# KiCad board Video Board - Memory.kicad_pcb (continued)
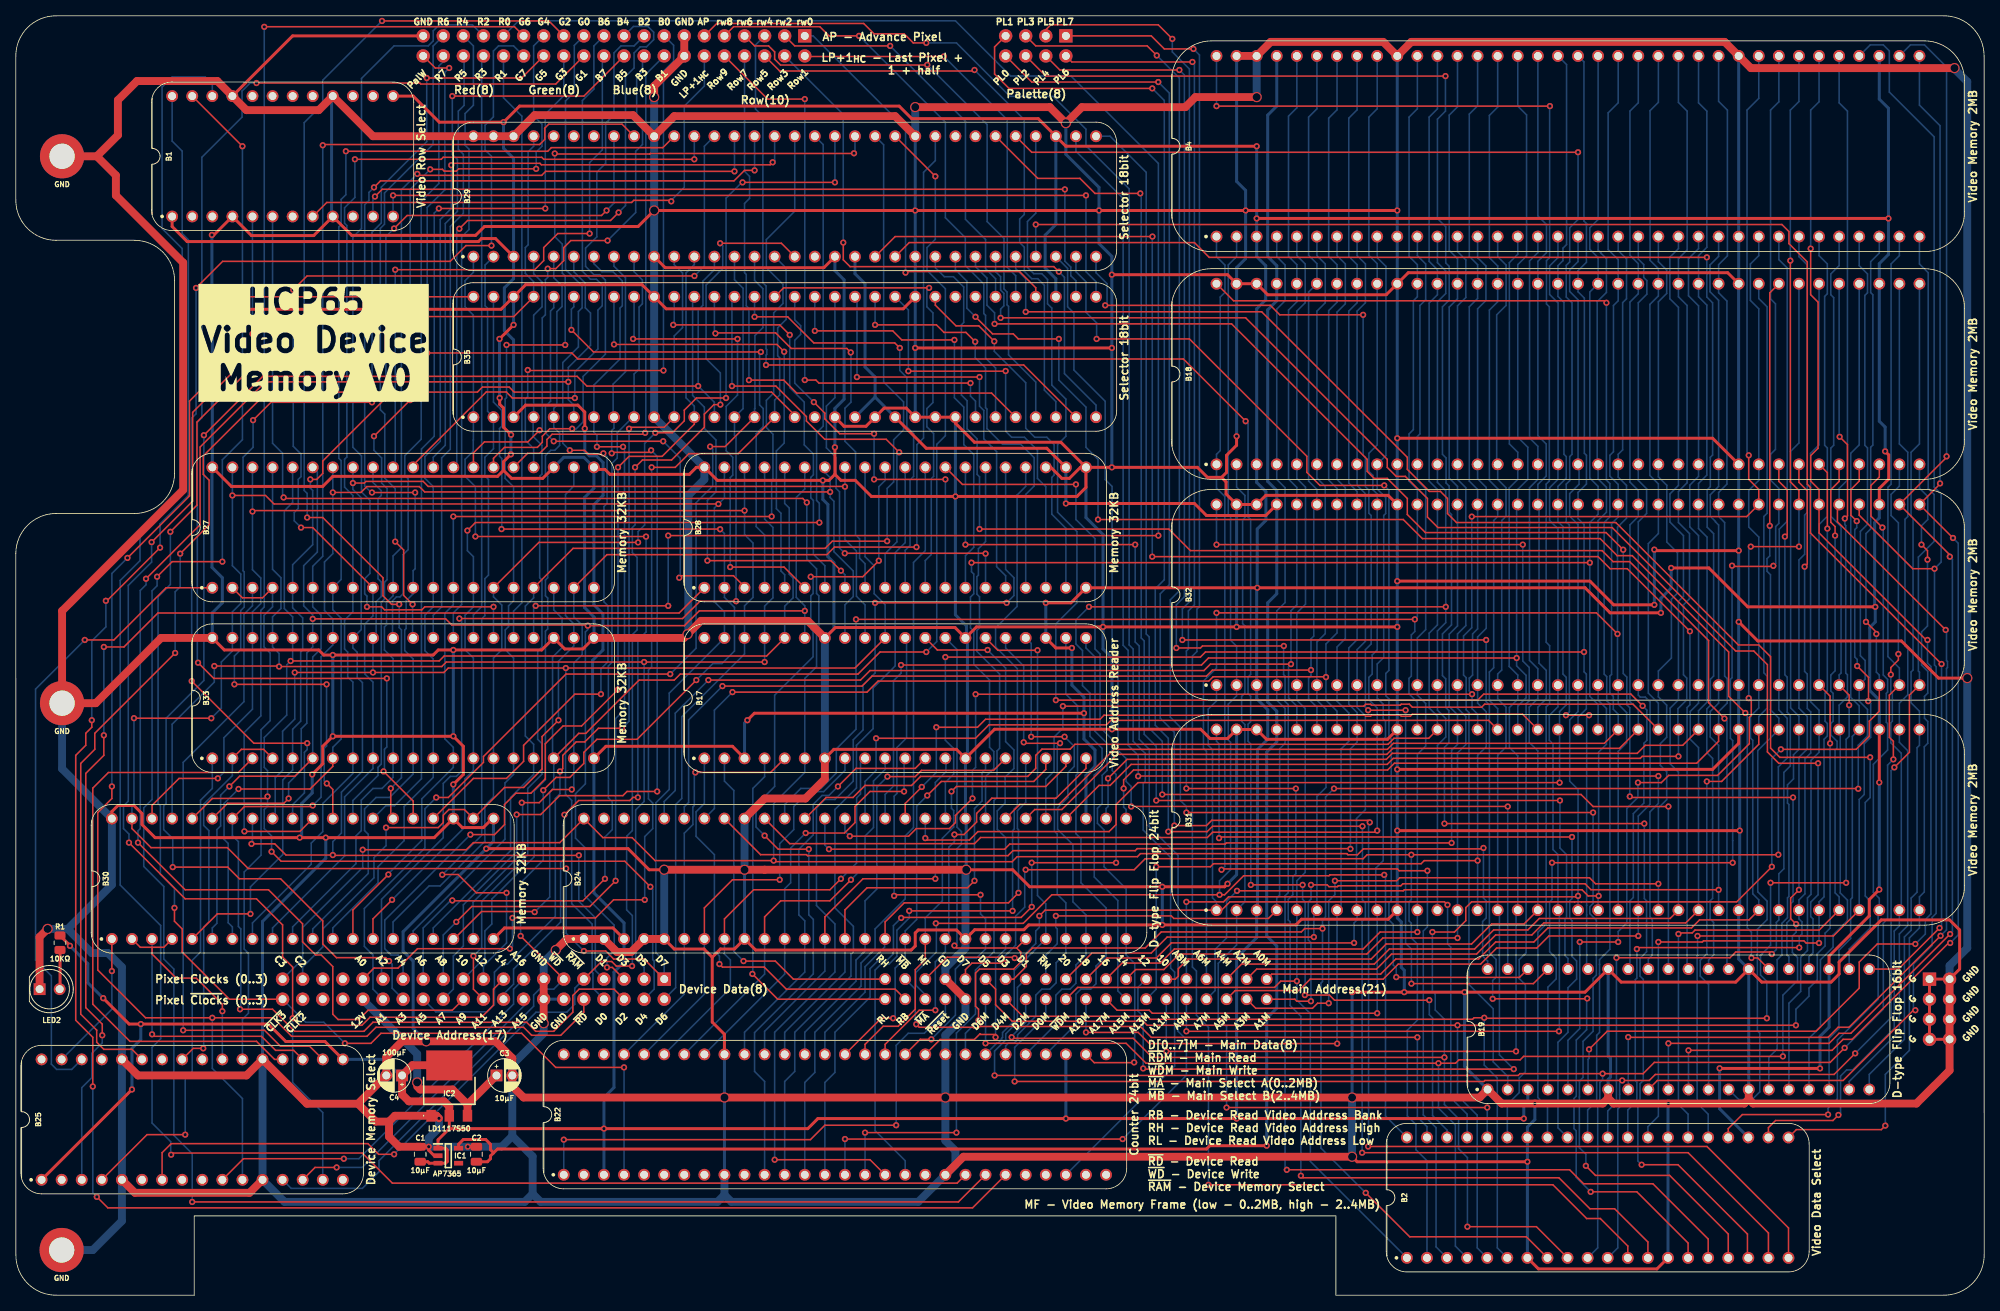
[diagram p0: board, top side]
## Nets (continued)
/VGD1: B4.38 B19.10 B32.38
/VGD2: B4.40 B19.9 B32.40
/VGD3: B4.41 B19.8 B32.41
/VGD4: B4.42 B19.6 B32.42
/VGD5: B4.43 B19.5 B32.43
/VGD6: B4.44 B19.4 B32.44
/VGD7: B4.45 B19.2 B32.45
/VGD_{C2}0: B19.31 B29.33
/VGD_{C2}1: B19.32 B29.34
/VGD_{C2}2: B19.33 B29.36
/VGD_{C2}3: B19.35 B29.37
/VGD_{C2}4: B19.36 B29.38
/VGD_{C2}5: B19.37 B29.32
/VGD_{C2}6: B19.38 B29.31
/VGD_{C2}7: B19.39 B29.30
/VPD0: B18.37 B19.20 B31.37
/VPD1: B18.38 B19.19 B31.38
/VPD2: B18.40 B19.18 B31.40
/VPD3: B18.41 B19.17 B31.41
/VPD4: B18.42 B19.16 B31.42
/VPD5: B18.43 B19.15 B31.43
/VPD6: B18.44 B19.13 B31.44
/VPD7: B18.45 B19.12 B31.45
/VPD_{C2}0: B19.21 B29.29
/VPD_{C2}1: B19.22 B29.28
/VPD_{C2}2: B19.24 B29.27
/VPD_{C2}3: B19.25 B29.26
/VPD_{C2}4: B19.26 B29.25
/VPD_{C2}5: B19.28 B29.24
/VPD_{C2}6: B19.29 B29.22
/VPD_{C2}7: B19.30 B29.21
/~{CLK}2: J4.38
/~{CLK}3: B1.5 B22.4 J4.40
/~{CS Memory B}: B2.36 B18.2 B31.2
/~{Device RAM 0}: B25.27 B35.17
/~{Device RAM}: B25.7 B29.17 J4.9
/~{EG0}: B2.35 B32.72
/~{EG1}: B2.33 B4.72
/~{EP0}: B2.32 B31.72
/~{EP1}: B2.31 B18.72
/~{Memory A}: B2.40 B4.2 B32.2 J2.36
/~{Memory B}: B2.39 J2.37
/~{Memory Frame}: B2.3 B4.1 B18.1
/~{Reset}: B22.1 J2.34
Net-(LED2-A): LED2.2 R1.1

Pads without a net: B1 2 3 7 10 14 15 17 18 19 20; B17 40; B22 2 5 6 7 8 10 19 24 25 27 28 29 54 55 56; B24 53 54 55; B25 2 6 8 9 16 24 26 29 32; B29 18 39 40 58 59 60; B35 18 39 40 58; IC1 4; J4 33 34 35 36

## Via types
v1: diameter 0.8, hole 0.4, Top to Bottom, 668 vias
v2: diameter 1.3, hole 1, Top to Bottom, 20 vias

## Routing (per net, layer and track width the routed paths; a pad name or vN(x,y) marks a point on that pad's centre or on a via; arc(x,y) is an arc through that point)
/3.3V: length 332.3
  Top w0.38: C2.1 59.65,16.89 60.03,17.27 60.03,17.63 60.42,18.02 ; IC1.5 56,19.11 56.6,19.71 59.43,19.71 60.03,19.11 60.03,18.42 60.42,18.02 ; B28.22 130.39,107.19 115.15,107.19 B35.22 ; 60.42,18.02 60.91,18.5 150.58,18.5 151,18.92 v1(158.2,18.92) ; v1(132.8,100.2) 149.06,100.2 150.58,98.68 158.07,98.68 B32.69
  Bottom w0.38: 108.67,113.67 B35.20 ; 108.67,113.67 108.67,116.21 107.4,117.48 107.4,128.02 106.13,129.29 B29.20 ; 108.67,113.67 B35.22 ; v1(158.2,18.92) 158.2,35.05 159.47,36.32 159.47,44.2 158.2,45.47 158.2,68.76 159.47,70.03 B31.69 159.47,73.91 158.32,75.06 158.32,87.63 159.47,88.77 B32.69 159.47,101.85 158.32,103 158.32,124.71 159.47,125.86 B18.69 159.47,130.3 158.32,131.45 158.32,149.35 159.47,150.5 B4.69 ; B28.22 v1(132.8,100.2)
/5V: length 1180.5
  Top w0.38: B17.23 131.53,81.92 v1(133.56,81.92) ; B17.3 90.64,69.47 74.63,69.47 B33.20 ; B25.1 v1(14.69,26.03) ; 5.6,45.5 6.85,44.25 v1(6.85,44.22) ; v1(190.71,22.35) v1(154.39,22.35) v1(132.8,22.35) 101.43,22.35 100.16,21.08 v1(74.38,21.08) 54.82,21.08 ; B1.1 19.77,135.26 21.67,133.35 58.5,133.35 58.89,133.73 60.66,133.73 B29.3 ; B25.17 39.09,32.11 34.14,32.11 31.93,34.32 v1(15.8,34.32) 14.33,34.32 v1(11.05,37.59) ; v1(71.95,109.69) 71.95,111.77 71.08,112.65 64.47,112.65 B35.3 ; B1.13 50.25,151.77 53.55,148.46 v1(61.68,148.46) 63.71,150.5 111.72,150.5 113.3,148.91 129.31,148.91 B29.35 132.8,145.42 v1(156.93,145.42) ; v1(135.09,73.65) 93.4,73.65 v1(92.52,72.77) ; B32.39 235.67,102.11 236.86,103.3 236.86,106.35 v1(236.41,106.8) ; v1(236.83,136.27) 236.82,136.28 v1(156.93,136.28) ; B31.39 v1(235.67,64.9) ; v1(130.26,87.63) 133.43,87.63 B28.20 v1(157,89.54) 198.46,89.54 201.63,86.36 v1(208.05,86.36) ; IC2.2 54.82,21.08 ; 54.82,21.08 53.4,19.66 IC1.1 54.35,18.6 54.57,18.39 54.57,16.92 54.35,16.7 IC1.3 52.28,16.7 52.1,16.89 C1.1 ; v1(228.18,28.7) 215.49,28.7 v1(215.48,28.71) ; v1(235.67,51.34) 234.4,50.07 234.4,48.01 229.32,42.93 B19.23 ; v1(235.16,87.12) 219.03,87.12 214.11,92.04 v1(209.35,92.04) ; B30.20 61.81,46.48 75.52,46.48 B24.3
  Top w1: 54.82,29.11 50.15,29.11 C4.1 48.85,25.4 49.72,24.54 54.16,24.54 54.82,23.88 IC2.2
  Bottom w0.38: v1(190.71,22.35) 190.71,24 191.22,24.51 B19.3 ; v1(236.41,106.8) 236.41,109.88 235.67,110.62 B18.39 235.67,130.56 236.83,131.72 v1(236.83,136.27) 236.83,150.22 235.67,151.38 B4.39 ; B31.3 156.93,45.25 154.39,42.71 v1(154.39,22.35) ; B35.35 131.53,128.65 130.18,130 130.18,134.16 131.53,135.51 B29.35 ; B17.23 v1(130.26,87.63) ; B17.3 92.16,72.41 v1(92.52,72.77) ; v1(6.85,44.22) 9.1,41.96 9.1,39.54 v1(11.05,37.59) ; B24.31 135.34,65.79 136.48,66.93 136.48,69 135.09,70.39 v1(135.09,73.65) 135.09,75.69 133.56,77.22 v1(133.56,81.92) ; v1(156.93,145.42) v1(156.93,136.28) B4.3 156.93,131.45 158.07,130.3 158.07,125.98 156.93,124.84 B18.3 156.93,102.87 158.09,101.7 158.09,98.07 157,96.97 v1(157,89.54) 156.93,89.46 B32.3 156.93,75.49 158.33,74.1 158.33,70.36 157.03,69.06 157.03,48.83 ; B32.39 235.67,98.38 235.08,97.79 235.08,87.2 v1(235.16,87.12) 235.16,85.2 234.46,84.5 234.46,76.53 235.67,75.32 B31.39 ; v1(61.68,148.46) 61.68,145.16 62.95,143.89 B29.3 62.95,128.65 61.79,127.49 61.79,122.07 62.95,120.9 B35.3 ; 72.94,68.11 72.94,80.35 74.25,81.66 74.25,86.23 73.11,87.37 B27.20 73.11,100.06 74.27,101.22 74.27,105.39 73.43,106.24 72.54,106.24 71.95,106.82 v1(71.95,109.69) ; B22.3 v1(74.38,21.08) 74.38,25.02 75.65,26.29 75.65,40.89 76.92,42.16 B24.3 76.92,47.12 73.11,50.93 B33.20 ; v1(209.35,92.04) 209.35,89.5 208.05,88.2 v1(208.05,86.36) ; v1(14.69,26.04) 14.69,31.24 15.8,32.36 v1(15.8,34.32) ; v1(228.18,28.7) 228.18,32.77 229.32,33.91 B19.23 ; B2.23 215.48,23.6 v1(215.48,28.71) ; v1(132.8,22.35) 132.8,30.48 ; v1(235.67,51.34) v1(235.67,64.9) ; B25.17 46.57,29.85 48.6,27.81
/12V: length 27.2
  Top w1: IC2.3 57.12,24.14 ; 57.12,24.14 55.23,26.04 51.14,26.04 50.76,26.42 ; 57.12,24.14 C3.1
  Bottom w1: 43.9,37.39 50.76,30.53 v2(50.76,26.92)
/AV0: length 171.7
  Top w0.2: v1(140.1,64.14) 140.1,65.21 141.36,66.47 173.49,66.47 174.35,67.33 212.58,67.33 215.35,70.1 B31.47
  Bottom w0.2: B24.29 140.42,61.47 140.1,61.79 v1(140.1,64.14) ; B31.47 215.35,73.85 216.44,74.94 216.44,78.03 216.11,78.36 216.11,97.79 215.35,98.55 B32.47 215.35,101.6 216.4,102.65 216.4,125.82 215.35,126.87 B18.47 215.35,130.43 216.46,131.54 216.46,149.99 215.35,151.1 B4.47
/AV1: length 170.3
  Top w0.2: B31.48 210.81,69.6 206.08,69.6 205.06,68.58 174.09,68.58 173.32,67.82 140.55,67.82 v1(138.13,65.41)
  Bottom w0.2: B4.48 212.81,150.91 213.86,149.86 213.86,132.62 212.81,131.57 B18.48 212.81,126.37 213.86,125.31 213.86,103.79 212.81,102.74 B32.48 212.81,97.03 213.89,95.95 213.89,75.06 212.81,73.98 B31.48 ; v1(138.13,65.41) 138.13,61.85 137.88,61.6 B24.30
/AV2: length 172.7
  Top w0.2: v1(210.27,68.2) 205.7,68.2 205.44,67.95 174.2,67.95 173.44,67.18 141.05,67.18 138.4,64.53 137,64.53 B24.32
  Bottom w0.2: B4.49 210.27,150.96 211.37,149.86 211.37,132.29 210.27,131.19 B18.49 210.27,126.37 211.36,125.27 211.36,102.82 210.27,101.73 B32.49 210.27,97.79 211.67,96.39 211.67,88.14 210.9,87.38 210.9,78.52 211.32,78.11 211.32,75.35 210.2,74.23 210.2,71.66 ; v1(210.27,68.2) B31.49
/AV3: length 180.3
  Top w0.2: B31.50 204.52,74.8 185.76,74.8 185.38,74.42 176.61,74.42 176.23,74.8 175.22,74.8 175.09,74.68 171.45,74.68 171.34,74.79 170.72,74.79 170.47,74.55 v1(132.42,74.55)
  Bottom w0.2: B24.33 130.26,65.28 131.31,66.33 131.31,70.65 132.42,71.76 v1(132.42,74.55) ; B18.50 207.73,129.92 206.68,130.97 206.68,149.92 207.73,150.97 B4.50 ; 207.73,128.01 207.73,126.47 206.66,125.4 206.66,103.75 207.73,102.68 B32.50 207.73,96.39 206.46,95.12 206.46,76.2 207.73,74.93 B31.50
/AV4: length 170
  Top w0.2: B31.51 202.81,69.22 174.15,69.22 173.39,68.45 139.28,68.45 132.29,61.47 128.86,61.47 B24.34
  Bottom w0.2: B31.51 205.19,74.08 204.14,75.13 204.14,97.5 205.19,98.55 B32.51 205.19,101.85 204.14,102.91 204.14,125.69 205.19,126.75 B18.51 205.19,130.56 204.14,131.61 204.14,149.86 205.19,150.91 B4.51
/AV5: length 170.2
  Top w0.2: B31.52 200.91,69.85 174.22,69.85 173.46,69.09 138.9,69.09 131.93,62.12 126.98,62.12 B24.35
  Bottom w0.2: B31.52 202.65,73.53 202.03,74.15 202.03,75.8 201.6,76.23 201.6,78.36 201.81,78.57 201.81,97.66 202.65,98.49 B32.52 202.65,102.62 201.6,103.67 201.6,106.3 202.05,106.75 202.05,125.26 202.65,125.86 B18.52 202.65,131.06 201.38,132.33 201.38,149.64 202.65,150.91 B4.52
/AV6: length 200.4
  Top w0.2: v1(199.06,92.71) v1(120.86,92.71)
  Bottom w0.2: B31.53 200.11,74.74 199.06,75.79 v1(199.06,92.71) 199.06,97.79 200.11,98.84 B32.53 200.11,102.36 199.06,103.41 199.06,126.97 B18.53 200.11,131.32 199.06,132.37 199.06,135.09 200.11,136.14 B4.53 ; v1(120.86,92.71) 120.86,91.57 121.15,91.28 121.15,88.77 120.73,88.36 120.73,84.46 121.15,84.04 121.15,79.85 123.15,77.85 123.15,69.34 123.69,68.8 123.69,66.68 122.64,65.62 B24.36
/AV7: length 190.2
  Top w0.2: v1(198.33,81.41) 150.45,81.41 149.81,80.76 v1(117.56,80.76)
  Bottom w0.2: B4.54 198.32,156.1 198.32,135.95 198.63,135.64 198.63,130.73 197.57,129.67 B18.54 197.57,127 198.37,126.2 198.37,106.56 198.63,106.3 198.63,102.66 197.57,101.6 B32.54 197.57,98.3 198.33,97.54 v1(198.33,81.41) 198.33,78.9 198.62,78.61 198.62,74.2 197.57,73.15 B31.54 ; v1(117.56,80.76) 117.56,70.23 118.61,69.18 118.61,65.95 117.56,64.9 B24.38
/AV8: length 181.8
  Top w0.2: v1(195.23,64.87) 141.92,64.87 139.15,62.1 139.15,59.56 138.26,58.67 121.68,58.67 120.61,57.61 115.26,57.61 v1(115.02,57.85)
  Bottom w0.2: B4.55 196.12,155.76 196.12,132.97 195.66,132.52 195.66,130.94 195.03,130.3 B18.55 195.03,126.41 195.79,125.65 195.79,106.43 196.08,106.13 196.08,103.42 195.03,102.36 B32.55 195.03,97.92 195.66,97.28 195.66,78.61 196.08,78.2 196.08,74.71 195.23,73.87 v1(195.23,64.87) ; B24.39 v1(115.02,57.85)
/AV9: length 178
  Top w0.2: v1(114.57,64.33) 112.48,62.23 112.48,60.96 ; B31.56 190.55,73.53 176.61,73.53 176.36,73.28 175.22,73.28 175.09,73.41 171.45,73.41 171.34,73.29 170.72,73.29 170.6,73.41 137.63,73.41 137.12,72.9 122.64,72.9 121.62,71.88 v1(116.42,71.88)
  Bottom w0.2: v1(116.42,71.88) 116.42,66.17 v1(114.57,64.33) ; 192.64,99.93 192.64,79.99 193.55,79.07 193.55,75.49 192.49,74.42 B31.56 ; B4.56 192.49,136.6 193.58,135.51 193.58,131.94 192.49,130.85 B18.56 192.49,108.79 193.54,107.74 193.54,103.67 192.49,102.62 B32.56
/AV10: length 186.5
  Top w0.2: v1(111.95,79.76) 149.94,79.76 150.83,80.65 v1(189.8,80.65)
  Bottom w0.2: B24.41 109.94,63.37 111,64.43 111,77.77 111.95,78.72 v1(111.95,79.76) ; 189.8,99.93 v1(189.8,80.65) 189.8,79.65 191,78.45 191,75.6 189.95,74.55 B31.57 ; B4.57 189.95,150.5 191.06,149.38 191.06,131.54 189.95,130.43 B18.57 189.95,108.59 191.22,107.32 191.22,103.25 189.95,101.98 B32.57
/AV11: length 178.6
  Top w0.2: B31.58 186.25,72.75 138.5,72.75 137.93,72.18 123.07,72.18 121.37,70.49 v1(108.8,70.49)
  Bottom w0.2: v1(108.8,70.49) 108.8,66.42 107.4,65.02 B24.42 ; B4.58 187.41,150.37 186.36,149.32 186.36,131.32 187.41,130.27 B18.58 187.41,125.73 186.36,124.68 186.36,103.12 187.41,102.07 B32.58 187.41,98.55 186.9,98.04 186.9,79.41 186.36,78.87 186.36,75.28 187.41,74.23 187.41,71.6
/AV12: length 184.4
  Top w0.2: v1(121.38,76.06) v1(184.17,76.06) ; v1(105.47,58.1) 112.92,58.1 113.88,59.06 118.07,59.06 118.83,59.82 118.83,60.72 v1(120.99,62.88)
  Bottom w0.2: B24.43 104.86,58.71 v1(105.47,58.1) ; 184.87,71.67 184.87,73.53 184.17,74.23 v1(184.17,76.06) 184.17,76.14 183.82,76.49 183.82,78.11 183.85,78.11 184.23,78.49 184.23,83.69 184.87,84.33 B32.59 184.87,101.98 183.82,103.03 183.82,125.1 184.87,126.15 B18.59 184.87,130.43 183.82,131.48 183.82,149.48 184.87,150.53 B4.59 ; v1(121.38,76.06) 121.38,66.8 120.99,66.41 v1(120.99,62.88)
/AV13: length 185.7
  Top w0.2: v1(102.84,56.45) 125.05,56.45 125.7,57.1 152.94,57.1 153.08,57.24 v1(181.58,57.24)
  Bottom w0.2: v1(102.84,56.45) 102.32,56.97 B24.44 ; v1(181.58,57.24) 181.58,68.96 182.33,69.71 B31.60 182.33,73.46 181.28,74.52 181.28,83.66 182.33,84.71 B32.60 182.33,102.36 181.28,103.41 181.28,125.06 182.33,126.11 B18.60 182.33,131.19 181.28,132.24 181.28,149.35 182.33,150.41 B4.60
/AV14: length 173.5
  Top w0.2: B31.61 178.68,70.49 174.29,70.49 173.53,69.72 133.94,69.72 133.33,69.11 129.78,69.11 128.99,68.33 128.99,66.68 127.97,65.66 114.42,65.66 113.28,64.52 107.4,64.52 105.88,62.99 102.49,62.99 99.82,60.33
  Bottom w0.2: B4.61 179.79,150.15 178.74,149.1 178.74,130.85 179.79,129.79 B18.61 179.79,126.62 178.74,125.57 178.74,103.03 179.79,101.98 B32.61 179.79,84.84 178.74,83.78 178.74,74.33 179.79,73.28 B31.61
/AV15: length 189
  Top w0.2: v1(176.93,85.53) v1(106.26,85.53)
  Bottom w0.2: B4.62 177.25,150.15 176.2,149.1 176.2,131.48 177.25,130.43 B18.62 177.25,126.37 176.74,125.86 176.74,109.55 176.2,109 176.2,103.03 177.25,101.98 B32.62 177.25,85.85 v1(176.93,85.53) 176.93,84.01 176.49,83.57 176.49,78.36 176.19,78.06 176.19,76.11 177.25,75.06 B31.62 ; v1(106.26,85.53) 106.26,71.63 103.77,69.14 103.77,66.09 101.81,64.14 99.27,64.14 97.24,62.1 B24.46
/AV16: length 180.1
  Top w0.2: v1(172.17,58.8) 171.97,58.6 151.36,58.6 150.69,57.93 122.02,57.93 121.24,57.15 97.87,57.15 B24.47
  Bottom w0.2: B4.64 172.17,150.15 171.12,149.1 171.12,131.61 172.17,130.56 B18.64 172.17,107.6 171.12,106.55 171.12,104.27 171.63,103.76 171.63,101.95 172.17,101.4 B32.64 172.17,81.66 171.53,81.03 171.53,78.61 171.12,78.2 171.12,75.37 172.17,74.32 B31.64 v1(172.17,58.8)
/AV17: length 184.8
  Top w0.2: v1(168.79,56.49) 168.77,56.52 141.82,56.52 141.56,56.26 126.11,56.26 125.47,55.63 100.12,55.63 99.99,55.75 94.19,55.75 B24.49
  Bottom w0.2: B4.65 169.63,150.02 168.58,148.97 168.58,131.48 169.63,130.43 B18.65 169.63,125.6 168.58,124.55 168.58,102.78 169.63,101.73 B32.65 169.63,82.97 168.58,81.92 168.58,74.8 169.63,73.75 B31.65 169.63,69.99 168.79,69.15 v1(168.79,56.49)
/AV18: length 181.5
  Top w0.2: v1(90.64,76.33) 107.65,76.33 109.05,77.72 150.87,77.72 151.41,78.27 165.66,78.27 v1(165.69,78.23)
  Bottom w0.2: B24.50 88.35,61.6 88.35,74.04 v1(90.64,76.33) ; B31.66 167.09,73.91 165.69,75.31 v1(165.69,78.23) 165.69,82.42 167.09,83.82 B32.66 167.09,102.11 166.04,103.16 166.04,124.61 167.09,125.67 B18.66 167.09,130.43 166.04,131.48 166.04,148.97 167.09,150.02 B4.66
/AV19: length 181.3
  Top w0.2: v1(163.8,79.12) 151.34,79.12 150.58,78.36 108.29,78.36 107.02,77.09 v1(89.37,77.09)
  Bottom w0.2: B32.67 164.55,101.98 163.5,103.03 163.5,126.96 B18.67 164.55,130.56 163.5,131.61 163.5,149.1 164.55,150.15 B4.67 ; B31.67 164.55,74.42 163.5,75.47 163.5,78.11 163.8,78.41 v1(163.8,79.12) 163.8,83.07 164.15,83.42 164.15,99.68 ; v1(89.37,77.09) 85.09,72.81 85.09,62.36 84.54,61.81 B24.51
/AV20: length 182.2
  Top w0.2: v1(161.27,79.87) 151.08,79.87 150.26,79.06 108.03,79.06 106.82,77.85 v1(87.59,77.85)
  Bottom w0.2: v1(87.59,77.85) 83.4,73.66 83.4,63.88 82,62.48 B24.52 ; B4.68 162.01,150.28 160.96,149.23 160.96,131.48 162.01,130.43 B18.68 162.01,125.73 160.96,124.68 160.96,103.29 162.01,102.24 B32.68 162.01,87.38 161.27,86.64 v1(161.27,79.87) 160.96,79.56 160.96,75.6 162.01,74.55 B31.68
/GND: length 3697.9
  Top w0.38: B35.19 104.75,109.97 107.51,109.97 B35.21 109.81,112.27 112.6,112.27 B35.23 B35.24 B35.25 ; B29.19 102.19,130.05 82.13,130.05 B29.10 ; v1(174.71,90.38) 199.08,90.38 202.08,87.38 v1(207.22,87.38) ; v1(174.71,66.55) 214.59,66.55 217.89,69.85 B31.46 ; B31.10 173.56,47.58 162.6,47.58 161.88,46.86 v1(144.99,46.86) 128.1,46.86 127.5,46.26 121.27,46.26 B24.20 118.96,46.23 114.13,46.23 113.75,45.85 113.75,44.2 113.24,43.69 93.56,43.69 B24.9 90.89,43.82 89.11,43.82 88.08,42.78 ; v1(59.49,56.52) 77.43,56.52 80.09,53.85 v2(82,53.85) ; 152.48,103.51 150.71,103.51 149.44,104.78 v1(138.62,104.78) B28.21 ; 152.48,103.51 153.12,104.14 153.12,106.3 154.39,107.57 v1(154.39,108.71) ; 152.48,103.51 153.06,102.93 153.06,101.41 B32.71 B32.70 158.08,101.23 173.56,101.23 B32.63 ; v1(103.59,107.31) 103.59,103.89 103.59,103.89 ; J3.39 35.01,159.39 B1.21 ; 103.59,103.89 102.83,103.12 v1(102.07,103.12) 88.73,103.12 B28.40 86.06,104.78 85.17,103.89 75.14,103.89 74.51,104.51 73.37,104.51 ; 103.59,103.89 104.35,103.12 106.18,103.12 108.21,101.09 v1(118.83,101.09) 134.2,101.09 135.34,102.24 B28.21 ; v1(217.89,94.23) 207.35,94.23 v1(207.22,94.36) ; v1(174.71,137.29) v1(155.53,137.29) v1(136.99,137.29) v1(113.75,137.29) v2(80.73,137.29) 78.7,135.26 59.27,135.26 58.15,134.14 42.48,134.14 B1.9 37.68,134.11 29.8,134.11 B1.4 25.05,134.19 v1(24.8,134.19) ; J5.8 J5.7 J5.5 J5.3 J5.1 J5.2 245.83,41.28 245.83,46.23 244.56,47.5 235.92,47.5 230.59,42.16 230.59,40.64 229.57,39.62 220.81,39.62 B19.27 217.51,39.62 203.03,39.62 B19.34 198.46,38.35 v1(183.22,38.35) v1(175.6,38.35) 169.01,38.35 v1(168.99,38.34) ; 60.26,60.33 59.12,59.18 56.47,59.18 B30.23 52.92,57.91 v1(39.2,57.91) v1(35.9,57.91) 17.61,57.91 15.96,59.56 15.96,60.96 14.94,61.98 12.91,61.98 12.15,61.21 B30.40 ; v1(61.19,113.56) 61.19,112.75 61.68,112.27 61.68,109.85 v1(62.63,108.9) ; v1(191.17,16.89) 169.63,16.89 v2(168.99,17.53) ; 61.68,104.39 60.92,103.63 40.09,103.63 38.82,102.36 27.26,102.36 B27.40 ; 61.68,104.39 62.7,103.38 66.63,103.38 B27.23 ; 61.68,104.39 61.68,105.49 v1(62.61,106.43) ; B17.34 103.64,84.5 118.78,84.5 B17.27 121.5,84.58 v1(137.5,84.58) v1(154.39,84.58) v1(174.71,84.58) ; 88.08,42.78 87.04,43.82 83.27,43.82 B24.5 ; 88.08,42.78 88.08,34.56 89.62,33.02 B22.48 ; B17.7 103.46,69.09 118.96,69.09 B17.14 123.78,71.63 v1(138.63,71.63) 149.85,71.63 151.03,70.45 153.25,70.45 B31.71 B31.70 158.17,70.36 173.47,70.36 B31.63 ; B33.40 26.37,81.66 38.31,81.66 38.95,81.03 v1(40.09,81.03) 52.79,81.03 53.42,81.66 v1(55.33,81.66) 66.51,81.66 B33.23 69.43,81.79 71.71,81.79 B33.21 ; B28.21 134.64,104.78 133.24,103.38 132.29,103.38 130.89,104.78 B28.23 ; B28.21 132.16,107.95 121.24,107.95 118.83,110.36 118.83,110.99 ; v1(37.48,65.91) 38.82,67.25 38.82,69.47 v1(40.09,70.74) v1(55.33,70.74) 56.6,69.47 56.6,65.91 v1(55.33,64.64) ; v2(4.02,46.36) 3.06,45.39 3.06,38.71 ; v1(24.85,122.56) 27.07,124.78 61.36,124.78 B35.62 64.47,127.89 79.21,127.89 B35.55 82.25,124.84 112.23,124.84 B35.42 ; v2(120.19,53.85) 126.07,53.85 128.23,51.69 v1(144.99,51.69) 152.87,51.69 v1(153.25,52.07) ; 51.13,18.8 v1(52.22,18.8) 52.22,18.35 52.92,17.65 IC1.2 ; v1(217.89,85.22) 220.3,82.8 238.46,82.8 243.16,78.11 v2(246.79,78.11) ; v1(174.71,58.8) v1(218.02,58.8) ; 58.24,18.8 v1(57.17,18.8) 58.26,18.8 ; B2.7 192.57,3.33 207.55,3.33 B2.14 ; v1(174.71,108.46) 214.59,108.46 B18.27 ; v1(62.95,122.81) v1(61.17,121.03) ; v1(113.75,119.89) v1(138.62,119.89) ; v1(138.62,129.16) 153.25,129.16 B18.71 B18.70 158.33,126.62 173.31,126.62 B18.63 176.11,129.41 216.49,129.41 B18.46
  Top w1: 43.27,24.23 45.53,21.97 47.2,21.97 ; 43.27,24.23 C4.2 46.85,30.13 48.85,32.13 v2(51.9,32.13) 60.66,32.13 62.79,30 62.79,26.45 64.22,25.02 v2(89.62,25.02) v2(117.56,25.02) v2(168.99,25.02) 185.12,25.02 B19.1 187.92,24.26 v1(192.11,24.26) 200.69,24.26 201.38,24.94 ; 43.27,24.23 36.81,24.23 B25.21 29.17,27.81 15.45,27.81 B25.28 ; J4.13 J4.14 v2(66.76,34.42) ; 47.2,21.97 47.2,20.07 48.48,18.79 C1.2 ; 47.2,21.97 47.94,22.71 53.2,22.71 ; 53.2,22.71 52.5,22.71 ; 53.2,22.71 v1(53.52,22.39) ; B4.71 B4.70 158.71,158.62 172.93,158.62 B4.63 176.49,158.62 216.11,158.62 B4.46 219.43,155.31 v2(245.18,155.31) ; B29.42 111.21,149.23 83.27,149.23 B29.55 78.06,149.35 65.62,149.35 B29.62 B29.63 B29.64 45.17,146.69 B1.16 38.31,149.99 29.17,149.99 B1.21 25.48,153.67 15.32,153.67 12.91,151.26 12.91,146.81 10.24,144.15 ; v2(68.28,43.69) 69.68,45.09 B24.1 B24.2 76.03,43.43 77.81,43.43 B24.4 B24.5 ; LED2.1 3.01,45.34 v2(4.02,46.36) ; B25.5 15.07,12.95 29.55,12.95 B25.12 ; v2(113.75,150.37) 130.77,150.37 v2(132.8,148.34) 134.83,150.37 147.91,150.37 149.18,151.64 v2(156.93,151.64) ; 10.24,144.15 12.66,141.73 12.66,139.19 21.17,130.68 21.17,101.92 5.85,86.6 H1.1 10.12,74.93 18.37,83.19 B33.40 ; 10.24,144.15 H19.1 ; B33.21 84.49,83.19 v2(84.96,83.66) 86.65,85.34 100.16,85.34 B17.34 ; v2(80.73,151.64) 80.73,153.04 J3.14 J3.13 ; J2.32 J2.33 ; 201.38,24.94 B19.7 ; 201.38,24.94 202.06,24.26 v1(209,24.26) 218.6,24.26 219.16,24.82 ; B24.48 94.7,62.87 99.87,62.87 102.32,65.32 B17.7 ; 117.56,15.24 119.85,17.53 v2(168.99,17.53) ; 219.16,24.82 219.72,24.26 240.37,24.26 244.56,28.45 J5.8 J5.6 J5.4 J5.2 ; 219.16,24.82 B19.14 ; v2(82,53.85) v2(92.16,53.85) 94.7,53.85 v2(120.19,53.85)
  Bottom w0.38: v1(138.63,71.63) 138.63,80.66 137.5,81.79 v1(137.5,84.58) 137.5,96.27 135.34,98.43 B28.21 ; v2(51.9,32.13) 50.25,33.78 50.25,42.29 48.98,43.56 48.98,46 v1(59.49,56.52) 60.41,57.43 B30.21 ; v1(209,24.26) 208.95,24.21 B2.27 B2.14 ; 120.23,83.31 120.23,84.71 118.83,86.11 v1(118.83,101.09) B35.25 ; 24.81,104.74 24.81,92.12 26.12,90.81 26.12,87.63 24.85,86.36 B33.40 ; v1(192.11,24.26) 192.11,22.23 191.17,21.29 B2.34 v1(191.17,16.89) B2.7 ; B35.23 v1(113.75,119.89) B35.42 B29.23 v1(113.75,137.29) B29.42 ; v1(61.19,113.56) 61.17,113.58 v1(61.17,121.03) ; v1(62.61,106.43) 62.61,108.88 v1(62.63,108.9) ; B4.63 v1(174.71,137.29) B4.10 B18.63 v1(174.71,108.46) B18.10 B32.63 v1(174.71,90.38) B32.10 B31.63 v1(174.71,66.55) v1(174.71,58.8) B31.10 ; J4.12 J4.14 ; B24.9 v2(92.16,53.85) ; B17.34 103.46,84.33 103.46,92.71 102.7,93.47 102.7,100.08 102.07,100.71 v1(102.07,103.12) ; B17.14 B24.37 ; 39.93,136.68 39.93,151.61 ; B27.40 v1(24.85,122.56) 24.8,122.61 v1(24.8,134.19) ; v1(55.33,81.66) v1(55.33,70.74) ; 217.88,128 217.88,105.17 ; B29.19 103.59,129.67 104.75,128.51 104.75,113.4 103.59,112.24 B35.19 v1(103.59,107.32) ; v1(183.22,38.35) 183.22,28.96 B19.1 ; B19.14 B19.27 217.89,42.55 B31.27 ; B30.23 v1(55.33,64.64) ; v1(153.25,52.07) 154.39,53.21 B31.71 ; B4.71 154.39,140.97 155.53,139.83 v1(155.53,137.29) 155.53,131.19 154.39,130.05 B18.71 v1(154.39,108.71) ; v1(37.48,65.91) 37.48,63.56 36.15,62.23 36.15,58.16 v1(35.9,57.91) ; v1(207.22,94.36) v1(207.22,87.38) ; 218.02,71.47 v1(218.02,58.8) 218.02,48.86 ; B25.21 31.2,47.3 39.2,55.3 v1(39.2,57.91) ; B18.46 B4.27 B4.46 ; 120.19,60.23 v2(120.19,53.85) 120.19,45.18 ; v1(138.62,104.78) v1(138.62,119.89) v1(138.62,129.16) 138.62,131.47 136.99,133.1 v1(136.99,137.29) 136.99,140.21 132.8,144.4 v2(132.8,148.34) ; B27.23 69.3,106.05 71.84,106.05 B27.21 73.11,102.14 71.93,100.97 71.93,87.02 73.13,85.83 73.13,83.2 ; B19.34 201.38,30.27 201.68,29.97 201.68,27.6 201.38,27.31 B19.7 ; B31.46 B32.27 v1(217.89,85.22) v1(217.89,94.23) B32.46 B18.27 ; v1(175.6,38.35) 175.6,41.12 175.22,41.5 175.22,47.24 174.72,47.74 174.72,48.72 ; B22.48 v2(89.62,25.02) 89.62,15.24 ; v1(40.09,81.03) v1(40.09,70.74) ; B35.62 v1(62.95,122.81) ; v1(144.99,51.69) v1(144.99,46.86) ; v2(168.99,25.02) v1(168.99,38.34) ; B32.71 v1(154.39,84.58) ; 120.35,68.19 120.35,82.94
  Bottom w1: 89.62,12.7 88.73,11.81 66.38,11.81 65.36,12.83 ; 89.62,12.7 90.51,11.81 114.13,11.81 118.83,16.51 118.83,18.29 117.56,19.56 v2(117.56,25.02) 117.56,32.91 120.1,35.45 J2.32 ; 89.62,12.7 89.62,15.24 ; B25.21 B25.12 33.99,11.81 64.35,11.81 65.36,12.83 ; J5.2 244.56,41.71 246.79,43.94 v2(246.79,78.11) 246.79,153.59 245.18,155.21 v2(245.18,155.31) ; B17.34 B17.7 ; v1(53.52,22.39) 53.52,21.18 52.22,19.88 v1(52.22,18.8) v1(57.17,18.8) 61.45,18.8 62.79,20.14 ; 6.56,46.36 v2(4.02,46.36) ; 6.56,46.36 12.15,51.94 B30.40 5.85,66.62 H1.1 ; 6.56,46.36 9.61,43.31 11.64,43.31 13.42,41.53 B25.28 B25.5 13.42,9.4 9.74,5.72 H9.1 ; B29.42 v2(113.75,150.37) ; v2(156.93,151.64) B4.70 ; v2(92.16,53.85) B24.48 ; v2(84.96,83.66) 85.05,83.75 85.05,101.22 87.08,103.25 B28.40 B35.10 B35.55 B29.10 v2(80.73,137.29) B29.55 v2(80.73,151.64) ; B24.5 v2(82,53.85) ; 62.79,20.14 62.79,29.18 66.76,33.15 v2(66.76,34.42) ; 62.79,20.14 65.36,17.56 65.36,12.83 ; v2(68.28,43.69) 66.76,42.16 J4.13 ; J2.33 117.56,41.4 120.1,43.94 B24.20 120.1,53.75 v2(120.19,53.85) ; v2(168.99,25.02) v2(168.99,17.53)
/(D~{RD}·D~{WD})+~{Device RAM 0}: length 149.4
  Top w0.2: B28.1 83.89,86.34 17.97,86.34 13.67,82.04 v1(11.13,82.04) ; v1(11.13,70.87) 11.13,68.33 8.85,66.04 8.85,36.39 10.93,34.31 v1(10.93,32.89)
  Bottom w0.2: v1(10.93,32.89) 10.93,31.93 9.61,30.61 9.61,27.53 8.34,26.26 B25.3 ; v1(11.13,82.04) v1(11.13,70.87)
/(D~{RD}·D~{WD})+~{Device RAM 1}: length 62
  Top w0.2: B25.4 16.59,20.32 v1(21.42,20.32)
  Bottom w0.2: B33.1 24.85,64.14 23.36,62.65 23.36,43.43 22.31,42.38 22.31,28.32 21.42,27.43 v1(21.42,20.32)
/(D~{RD}·D~{WD})+~{Device RAM 2}: length 17.9
  Top w0.2: B30.1 v1(12.15,41.02)
  Bottom w0.2: B25.31 12.15,36.2 v1(12.15,41.02)
/(D~{RD}·D~{WD})+~{Device RAM 3}: length 80.6
  Top w0.2: v1(8.72,82.93) 12.4,82.93 19.01,89.54 B27.1
  Bottom w0.2: v1(8.72,82.93) 2.5,76.71 2.5,42.42 4.5,40.42 4.5,29.24 5.16,28.58 7.07,28.58 B25.30
/AC0: length 63.9
  Top w0.2: v1(141.44,29.46) 141.4,29.43 136.39,29.43 135.34,30.48
  Bottom w0.2: v1(141.44,29.46) 141.51,29.54 141.51,41.96 140.42,43.05 B24.28 140.42,51.44 137.63,54.23 137.63,58.89 136.79,59.72 136.79,61.62 137.39,62.22 137.39,65.81 138.01,66.42 138.01,69.85 136.48,71.37 136.48,80.77 135.34,81.92 B17.21
/AC1: length 58.9
  Bottom w0.2: 130.26,30.48 134.07,34.29 134.07,38.1 134.7,38.74 135.93,38.74 136.61,39.41 136.61,41.66 137.88,42.93 B24.27 137.88,49.02 134.7,52.2 134.7,57.79 134.07,58.42 134.07,65.79 134.32,66.04 134.27,66.09 134.27,74.6 132.8,76.07 B17.22
/AC2: length 63.8
  Top w0.2: v1(132.63,70.68) v1(128.41,70.68)
  Bottom w0.2: B17.24 128.41,82.49 v1(128.41,70.68) ; v1(132.63,70.68) 133.86,69.45 133.86,66.93 133.05,66.12 133.05,62.99 131.75,61.69 131.75,58.96 133.69,57.02 133.69,49.78 135.34,48.13 B24.26 135.34,43.05 134.07,41.78 134.07,39.48 133.33,38.74 132.29,38.74 131.53,37.97 131.53,34.29 127.72,30.48
/AC3: length 63.3
  Top w0.2: v1(132.06,69.86) 132.05,69.85 127.59,69.85 v1(127.47,69.98)
  Bottom w0.2: 125.18,30.48 125.18,31.54 125.54,31.9 126.25,31.9 126.69,32.34 126.69,32.95 128.12,34.38 128.12,34.44 128.99,35.31 128.99,37.97 129.75,38.74 130.77,38.74 131.57,39.53 131.57,42.07 132.8,43.31 B24.25 132.8,49.66 131.71,50.75 131.71,58.37 131.35,58.73 131.35,62.76 131.71,63.12 131.71,69.51 v1(132.06,69.86) ; B17.25 125.18,81.92 127.47,79.63 v1(127.47,69.98)
/AC4: length 62
  Top w0.2: B17.26 124.2,81.63 v1(129.21,81.63)
  Bottom w0.2: 122.64,30.48 124.06,31.9 124.22,31.9 124.66,32.34 124.66,32.5 124.79,32.63 124.79,33.24 126.27,34.72 126.27,41.09 B24.24 130.26,49.53 129.21,50.58 v1(129.21,81.63)
/AC5: length 69.1
  Top w0.2: v1(121.75,34.8) 121.75,36.19 121.37,36.58 121.37,40.77 121.88,41.28 126.2,41.28 127.08,42.16 127.08,43.43 126.58,43.94 ; B24.23 126.58,43.94 ; 126.58,43.94 119.01,43.94 v1(118.71,44.25)
  Bottom w0.2: v1(118.71,44.25) 119.03,44.57 119.03,56.52 119.59,57.08 119.59,58.67 119.03,59.24 119.03,81.72 117.62,83.12 ; v1(121.75,34.8) 120.1,33.15 120.1,30.48
/AC6: length 71.1
  Top w0.2: B17.29 116.54,81.66 v1(122.89,81.66) ; 115.02,30.48 116.9,32.36 121.22,32.36 121.94,33.08 122.02,33 123.91,33 v1(123.91,32.65)
  Bottom w0.2: v1(122.89,81.66) 125.18,79.38 125.18,70.06 126.23,69.01 126.23,66.68 125.12,65.56 125.12,62.29 124.12,61.3 124.12,58.97 125.18,57.91 B24.22 125.18,43.82 123.91,42.55 v1(123.91,32.65)
/AC7: length 70.3
  Top w0.2: 112.48,30.48 114.38,32.39 v1(115.78,32.39) ; v1(111.08,50.55) 111.21,50.67 v1(122,50.67)
  Bottom w0.2: 112.65,83.01 112.65,70.53 111.43,69.31 111.43,63.5 111.08,63.15 v1(111.08,50.55) ; v1(115.78,32.39) 118.83,35.43 118.83,41.28 120.23,42.67 121.5,42.67 122.64,43.82 B24.21 122.64,47.63 122,48.26 v1(122,50.67)
/AC8: length 54
  Top w0.2: v1(118.7,58.31) 119.93,58.31 121.51,59.89 121.51,60.97 123.44,62.9 131.57,62.9 135.34,66.68 B17.20 ; v1(116.29,36.07) 114.26,36.07 109.94,31.75 109.94,30.48
  Bottom w0.2: v1(116.29,36.07) 116.29,42.2 117.56,43.47 B24.19 ; 118,45.52 118,56.7 118.7,57.4 v1(118.7,58.31)
/AC9: length 56
  Top w0.2: B24.18 115.02,42.47 113.75,41.2 113.75,36.2 111.59,34.04 109.69,34.04 107.4,31.75 107.4,30.48 ; v1(118.33,63.75) 118.96,64.39 130.26,64.39 132.8,66.93 B17.19
  Bottom w0.2: v1(118.33,63.75) 118.33,61.62 118.61,61.34 118.61,59.27 117.18,57.83 117.18,49.91 115.02,47.75 B24.18
/AC10: length 55.7
  Top w0.2: v1(110.96,35.05) 109.43,35.05 104.86,30.48 ; v1(115.27,63.25) 117.05,65.02 128.74,65.02 130.26,66.55 B17.18
  Bottom w0.2: v1(115.27,63.25) 113.93,61.9 113.93,47.55 112.48,46.1 B24.17 112.48,42.67 111.21,41.4 111.21,35.31 v1(110.96,35.05)
/AC11: length 55.5
  Top w0.2: B24.16 109.94,47.24 112.35,49.66 125.54,49.66 v1(126.81,50.93)
  Bottom w0.2: v1(126.81,50.93) 126.81,58.92 126.67,59.06 126.67,61.32 127.72,62.38 B17.17 ; 102.32,30.75 102.32,33.27 107.4,38.35 107.4,41.58 109.88,44.06 109.88,45.09
/AC12: length 55.4
  Top w0.2: v1(110.23,65.64) 113.75,65.64 114.53,66.42 123.66,66.42 B17.16
  Bottom w0.2: v1(110.23,65.64) 108.89,64.29 108.89,51.4 107.4,49.91 B24.15 107.4,43.56 106.26,42.42 106.26,39.75 99.78,33.27 99.78,30.48
/AC13: length 55.4
  Top w0.2: B24.14 104.86,48.77 107.65,51.56 120.35,51.56 v1(121.24,52.45)
  Bottom w0.2: B22.45 97.24,33.27 104.86,40.89 B24.14 ; v1(121.24,52.45) 121.24,61.6 122.19,62.55 122.19,66.1 122.64,66.55 B17.15
/AC14: length 52.3
  Top w0.2: B24.13 102.32,47.88 107.15,52.71 v1(116.29,52.71)
  Bottom w0.2: 117.63,67.88 117.63,66.24 116.29,64.9 v1(116.29,52.71) ; B24.13 102.32,41.02 94.7,33.4 B22.46
/AC15: length 52.4
  Top w0.2: v1(103.97,64.39) 106.26,66.68 113.75,66.68 B17.12
  Bottom w0.2: B22.47 92.16,33.27 99.78,40.89 B24.12 99.78,47.38 99.03,48.13 99.03,56.44 100.85,58.25 100.85,62.12 101.97,63.25 102.83,63.25 v1(103.97,64.39)
/AC16: length 53.2
  Top w0.2: v1(112.34,63.75) 108.03,63.75 106.13,61.85 106.13,59.82 104.8,58.49 v1(99.89,58.49)
  Bottom w0.2: 112.34,67.8 v1(112.34,63.75) ; v1(99.89,58.49) 97.99,56.59 97.99,52.2 97.24,51.44 B24.11 97.24,40.64 B22.49
/AC17: length 51.6
  Top w0.2: v1(105.62,52.58) 102.95,49.91 96.73,49.91 94.7,47.88 B24.10
  Bottom w0.2: B24.10 94.7,40.64 B22.50 ; B17.10 109.94,66.55 108.47,65.08 108.47,59.18 107.4,58.11 107.4,54.36 v1(105.62,52.58)
/AC18: length 54.3
  Top w0.2: B24.8 89.62,47.63 93.3,51.31 102.95,51.31 v1(104.35,52.71)
  Bottom w0.2: B17.9 106.83,67.37 106.83,63.43 106.34,62.95 106.34,54.69 v1(104.35,52.71) ; B24.8 89.62,43.18 90.37,42.43 90.37,38.85 B22.51
/AC19: length 52
  Top w0.2: v1(96.6,52.58) 90.64,52.58 87.08,49.02 B24.7
  Bottom w0.2: B24.7 87.08,38.1 B22.52 ; 104.86,67.37 104.86,66.42 102.17,63.74 100.27,63.74 98.38,61.85 98.38,58.93 96.6,57.15 v1(96.6,52.58)
/AC20: length 51.5
  Top w0.2: B17.5 95.46,66.17 v1(85.94,66.17)
  Bottom w0.2: v1(85.94,66.17) 85.81,66.04 85.81,61.98 85.63,61.8 85.63,59.56 84.54,58.47 B24.6 84.54,38.1 B22.53
